# Altium PCB motordriver-v5.2.PcbDoc (part 5 of 7) (continued)
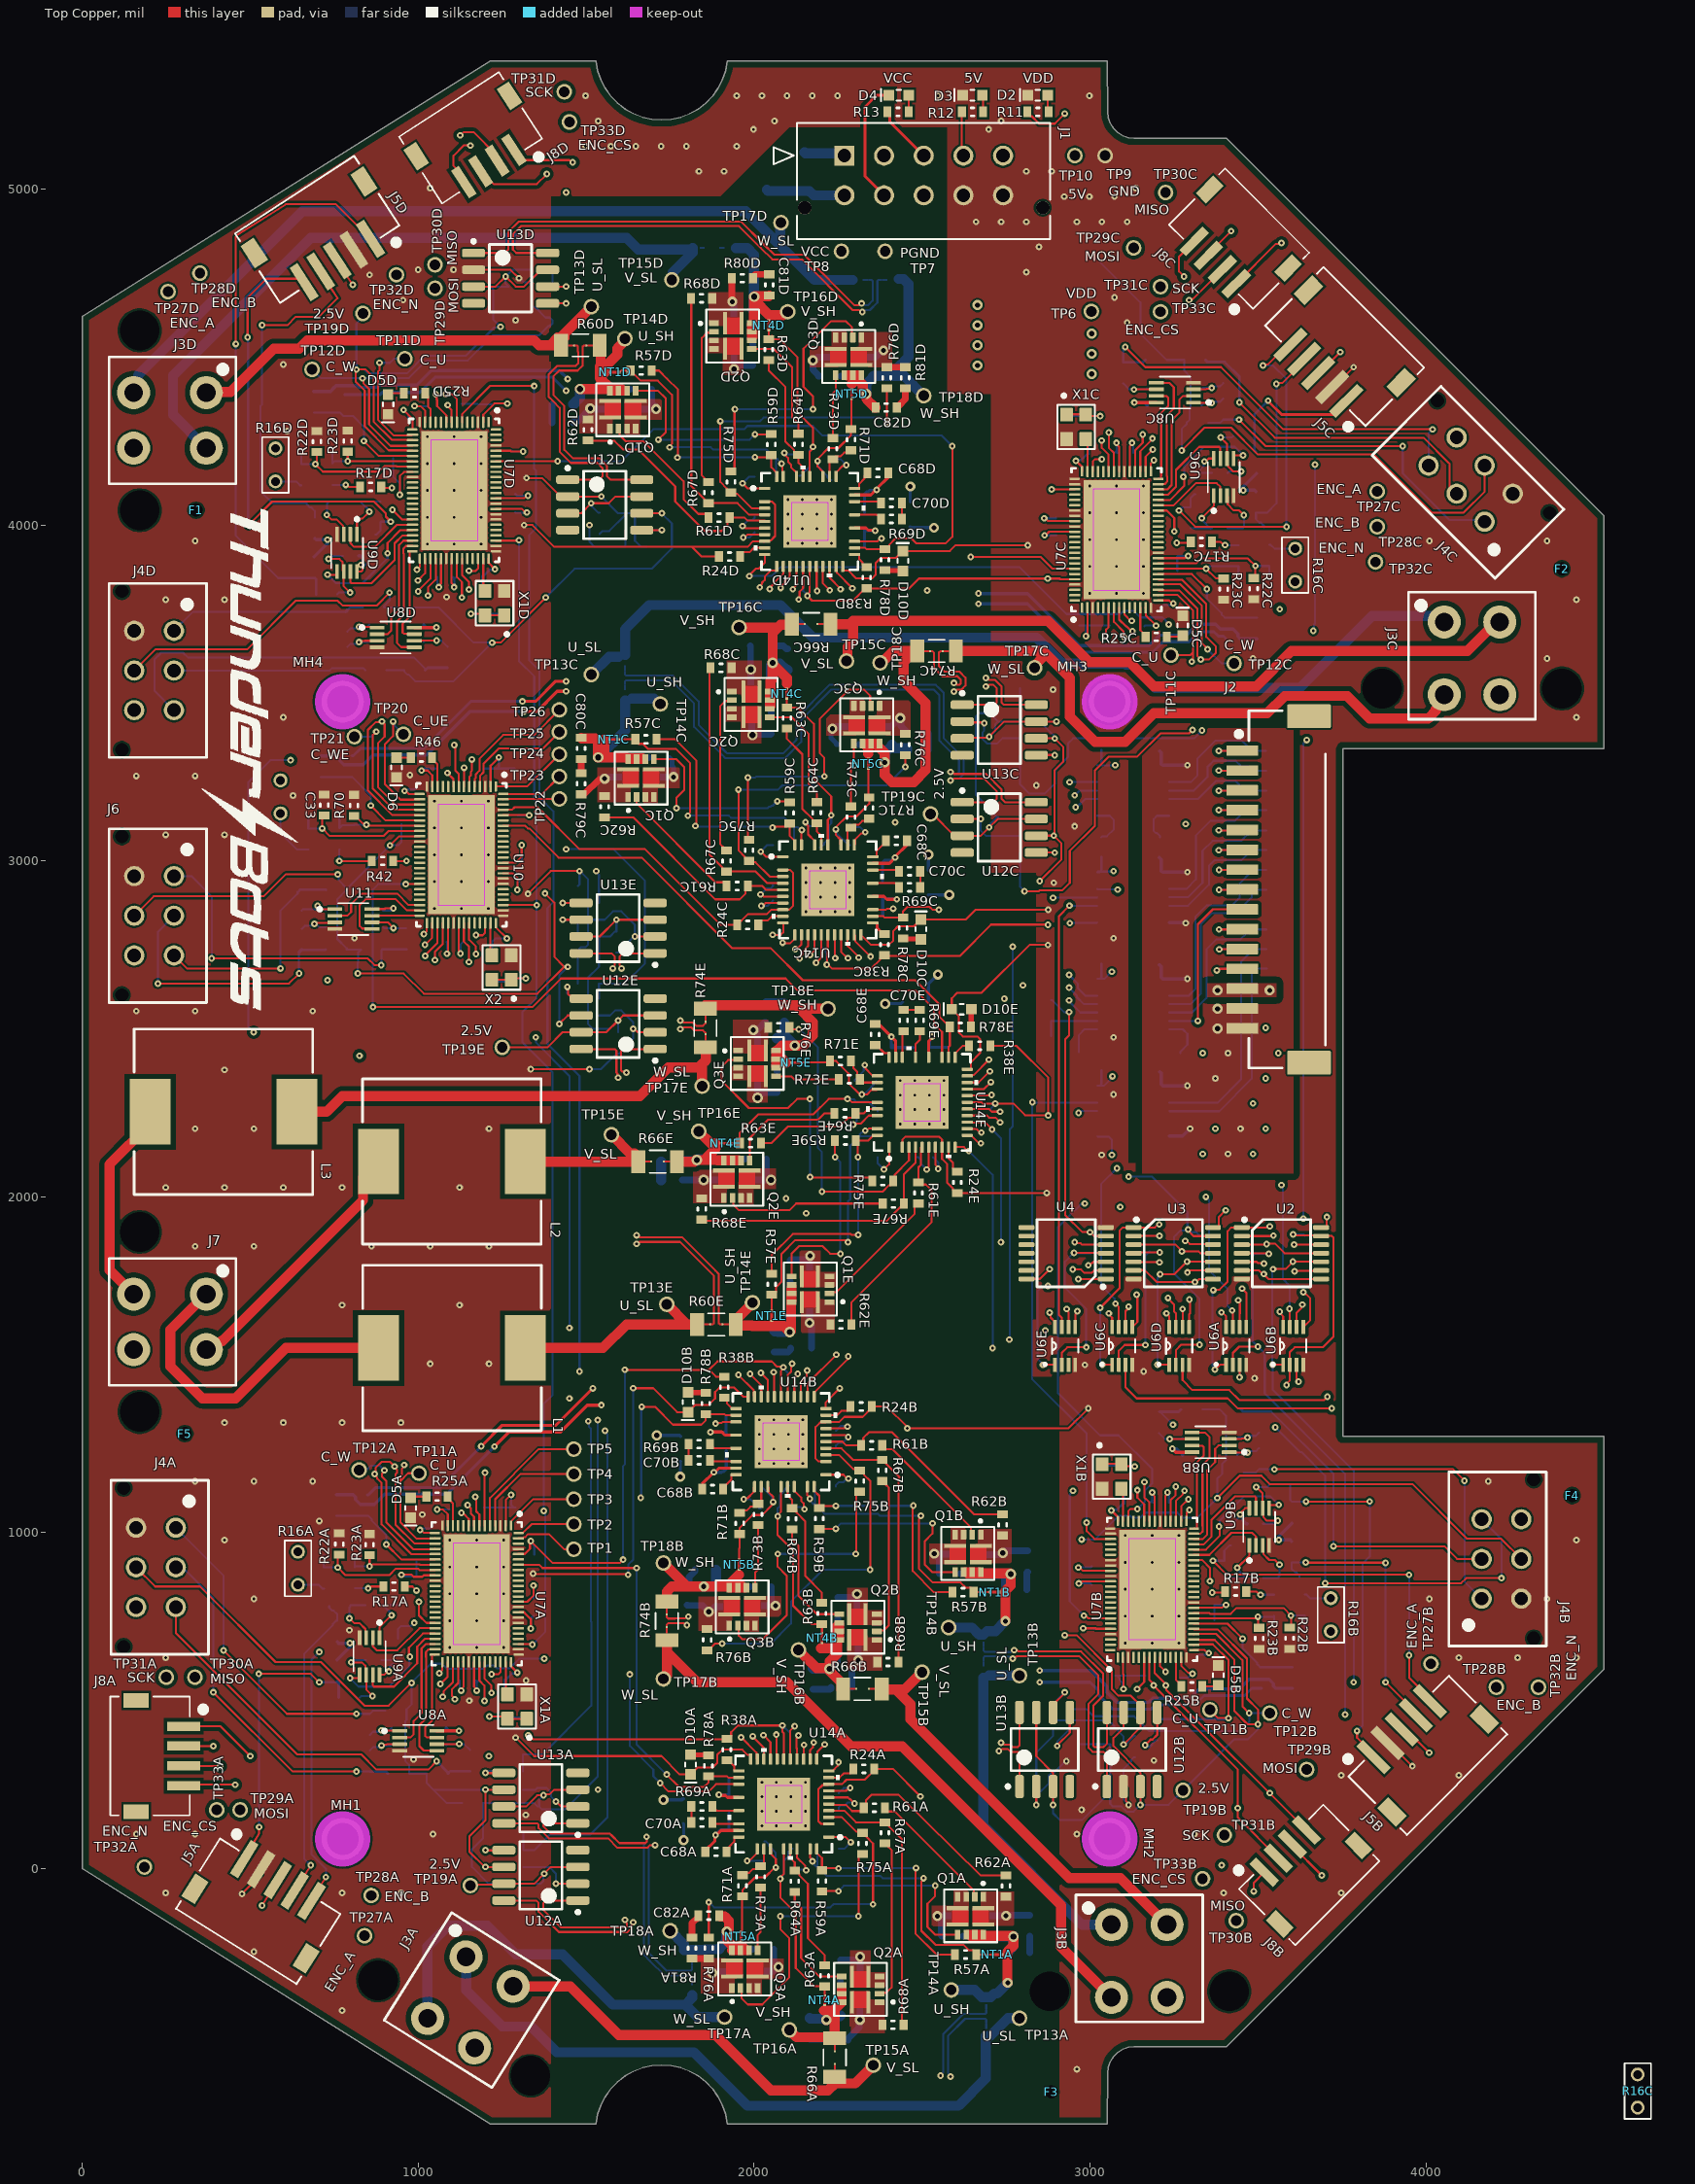
[diagram p0: Top Copper view]
## Nets (pads, with @x,y where several pads share a name; then routed paths per layer and width w, separated by ;. In a path a pad name is that pad's centre, name@x,y a point inside that pad or via, vN(x,y) a via of type N, cw(c..) or ccw(c..) an arc to the next point about the centre after c; other vN are vias at no path point) (continued)
LSVA: R67A.2 R68A.2 U14A.4 | length 808.4
  Top Copper w6: U14A.4@2221.91,172.72 2268.34,172.72 2303.03,138.03 2393.39,138.03 2400.2,131.22 2400.2,127.28 2440.64,86.85 R68A.2@2440.64,-465
LSVB: R67B.2 R68B.2 U14B.4 | length 812.2
  Top Copper w6: U14B.4@2214.04,1251.46 2260.47,1251.46 2295.15,1216.77 2385.52,1216.77 2392.33,1209.96 2392.33,1206.02 2432.76,1165.59 2430,1162.83 R68B.2@2430,615 R68B.2@2432.76,617.76
LSVC: R67C.2 R68C.2 U14C.4 | length 812
  Top Copper w6: R68C.2@1866.86,3575 1866.86,3019.6 1907.29,2979.17 1907.29,2975.23 1914.1,2968.42 2004.47,2968.42 2039.16,2933.74 U14C.4@2085.59,2933.74
LSVD: R67D.2 R68D.2 U14D.4 | length 815.3
  Top Copper w6: R68D.2@1812.75,4675 1812.75,4116.29 1853.19,4075.85 1853.19,4071.91 1860,4065.1 1950.37,4065.1 1985.05,4030.42 U14D.4@2031.48,4030.42
LSVE: R67E.2 R68E.2 U14E.4 | length 809.1
  Top Copper w6: R68E.2@1844.15,1932.41 1848.16,1928.4 2394.34,1928.4 2435.21,1969.27 2439.14,1969.27 2445.95,1976.08 2445.95,2066.44 2480.64,2101.13 U14E.4@2480.64,2147.56
LSWA: R75A.2 R76A.2 U14A.3 | length 951.8
  Top Copper w6: R76A.2@1865,-205 v1(1865,-100) ; U14A.3@2221.91,153.03 2261.03,153.03 2303.58,110.48 2322.52,110.48 2326.46,106.54 2334.77,98.23 2334.77,94.29 2354.02,75.04 v1(2354.02,-106.06)
  Bottom Copper w6: v1(1865,-100) 1865.73,-100 1880.81,-115.08 2226.9,-115.08 2235.91,-106.06 v1(2354.02,-106.06)
LSWB: R75B.2 R76B.2 U14B.3 | length 1053.5
  Top Copper w6: R76B.2@1860,650 1863.94,650 1883.94,670 v1(1905,670) ; U14B.3@2214.04,1231.77 2253.15,1231.77 2295.71,1189.22 2314.65,1189.22 2318.59,1185.28 2326.9,1176.97 2326.9,1173.03 2346.15,1153.78 2346.15,891.15 v1(2345,890)
  Bottom Copper w6: v1(1905,670) 2050,670 2110,730 2110,795 2205,890 v1(2345,890)
LSWC: R75C.2 R76C.2 U14C.3 | length 907.7
  Top Copper w6: v1(1953.47,3212.52) 1953.47,3031.41 1972.73,3012.16 1972.73,3008.22 1981.03,2999.92 1984.98,2995.98 2003.92,2995.98 2046.47,2953.42 U14C.3@2085.59,2953.42 ; v1(2450,3280) 2450,3314.02 2449.51,3314.51 R76C.2@2450,3315
  Bottom Copper w6: v1(1953.47,3212.52) 2071.58,3212.52 2084.07,3225 2395,3225 v1(2450,3280)
LSWD: R75D.2 R76D.2 U14D.3 | length 956.2
  Top Copper w6: v1(1899.37,4309.2) 1899.37,4128.1 1918.62,4108.84 1918.62,4104.91 1926.93,4096.6 1930.87,4092.66 1949.81,4092.66 1992.36,4050.1 U14D.3@2031.48,4050.1 ; v1(2395,4305) 2395,4336.32 2395.01,4367.26 R76D.2@2395,4407.01
  Bottom Copper w6: v1(1899.37,4309.2) 2017.48,4309.2 2028.28,4320 2379.11,4320 2394.11,4305 v1(2395,4305)
LSWE: R75E.2 R76E.2 U14E.3 | length 891
  Top Copper w6: R76E.2@2105,2505 2111.22,2498.78 v1(2132.34,2498.78) ; v1(2201.86,2015.45) 2382.96,2015.45 2402.21,2034.7 2406.15,2034.7 2414.46,2043.01 2418.4,2046.95 2418.4,2065.89 2460.95,2108.44 U14E.3@2460.95,2147.56
  Bottom Copper w6: v1@2134.28,2500.72 2190,2445 2190,2145.41 2201.86,2133.56 v1(2201.86,2015.45)
MISO: J2.9 U5A.6 | length 523.2
  Top Copper w6: v1(3321.26,2523.74) 3321.26,2811.26 3366,2856 J2.9@3453.18,2856
  Bottom Copper w6: U5A.6@3236.06,2523.74 v1(3321.26,2523.74)
MISO_CTRL0: U2.2 U7A.9 | length 3495.2
  Top Copper w6: v1(1128.58,1059.36) 1131.2,1056.74 1135.15,1056.74 1150.29,1041.6 1150.29,1021.11 U7A.9@1150.45,1020.95 ; U2.2@3451.88,1883.25 3535.63,1883.25 3535.99,1883.61 3545.08,1883.61 v1(3546.1,1884.63)
  Signal Layer 2 w6: v1(1128.58,1059.36) 1289.54,1059.36 1367.3,1137.13 2925.48,1137.13 2928.61,1140.26 2963.15,1174.8 3449.8,1174.8 3650,1375 3650,1580 3659,1589 3659,1724.65 3644.57,1739.08 3510.79,1739.08 3494.68,1755.19 3494.68,1860.6 3520.31,1886.23 3544.5,1886.23 v1(3546.1,1884.63)
MISO_CTRL1: U2.9 U7B.9 | length 1581.1
  Top Copper w6: U7B.9@3208.53,629 3208.53,602.72 v1(3224.94,586.31) ; v1(3609.26,1777.97) 3610.71,1779.43 3686.64,1779.43 U2.9@3688.1,1780.89
  Signal Layer 2 w6: v1(3224.94,586.31) 3266.31,586.31 3305,625 3305,996.25 3668.15,1359.4 3668.15,1551.77 3674.5,1558.12 3674.5,1750.5 3646.67,1778.33 3609.61,1778.33 v1(3609.26,1777.97)
MISO_CTRL2: U3.2 U7C.9 | length 3005.4
  Top Copper w6: U7C.9@3102.53,3753.9 3102.69,3753.73 3102.69,3733.24 3120.94,3715 v1@3124.2,3715 ; U3.2@3129.88,1883.25 3130.17,1883.54 3206.82,1883.54 v1(3207.11,1883.83)
  Signal Layer 2 w6: v1(3124.4,3715) 3161.94,3715 3173.91,3726.97 3659.68,3726.97 3688.84,3697.8 3688.84,2023.84 3630,1965 3455,1965 3426.53,1936.53 3388.47,1936.53 3380,1945 3195,1945 3175,1925 3175,1905 3183.94,1896.06 3192.69,1896.06 3204.92,1883.83 v1(3207.11,1883.83)
MISO_CTRL3: U3.9 U7D.9 | length 5124.3
  Top Copper w6: v1(1052.03,4389.39) 1054.65,4386.77 1054.65,4380.28 1054.78,4380.15 1054.78,4373.79 1056.16,4372.41 1056.16,4354 1083.61,4326.55 1083.61,4306.11 U7D.9@1083.45,4305.95 ; v1(3290,1775) 3295.89,1780.89 U3.9@3366.1,1780.89
  Signal Layer 1 w6: v1(1052.03,4389.39) 1011.83,4349.19 1011.83,4338.81 810.6,4137.58 810.6,4112.96 779,4081.35 779,4011 852.42,3937.58 852.42,3717.58 860,3710 860,3445 850,3435 850,3304.92 852.42,3302.5 852.42,3212.42 823.07,3183.07 823.07,2796.93 845,2775 845,2675 855,2665 855,2608.01 825,2578.01 v1(825,2420) 1300.5,1944.5 1868.58,1944.5 1900.18,1912.9 2357.1,1912.9 2565,1705 2975,1705 3016.19,1746.19 3217.71,1746.19 3246.52,1775 v1(3290,1775)
MISO_CTRL4: U4.2 U10.9 | length 3450.8
  Top Copper w6: v1(1086.92,3261.81) 1104.73,3244 1104.73,3221.27 U10.9@1104.89,3221.11 ; v1(2948.41,1783.89) 2973.16,1783.89 2983.42,1773.63 3004.46,1773.63 3011.71,1780.89 U4.2@3047.1,1780.89
  Signal Layer 1 w6: v1(1086.92,3261.81) 1085.92,3262.81 1047.81,3262.81 890,3105 890,2790 920,2760 920,2574.62 905.38,2560 905.38,2409.62 1355,1960 1875,1960 1906.6,1928.4 2386.6,1928.4 2552.77,1762.23 2890.29,1762.23 2911.95,1783.89 v1(2948.41,1783.89)
MISO_DRV0: U2.5 U14A.13 | length 3399.4
  Top Copper w6: U14A.13@2147.11,326.26 2147.91,327.06 2147.91,367.7 v1(2148.7,368.5) ; U2.5@3451.88,1806.48 3496.12,1806.48 3499.12,1803.48 3515.95,1803.48 v1(3517.96,1801.47)
  Signal Layer 2 w6: v1(2148.7,368.5) 2148.34,368.14 2148.34,346.66 2160,335 2227.02,335 2231.52,339.5 2635.5,339.5 2655,320 2848.82,320 2873.82,345 2890.39,345 2893.04,342.35 2911.96,342.35 2914.61,345 3478.81,345 3617.02,483.21 3753.21,483.21 3810,540 3810,1196.9 3683.65,1323.25 3683.65,1545.35 3690,1551.7 3690,1775 3634.97,1830.03 3570.03,1830.03 3547.43,1807.43 3535.31,1807.43 3531.97,1804.09 3520.58,1804.09 v1(3517.96,1801.47)
MISO_DRV1: U2.12 U14B.13 | length 1904.2
  Top Copper w6: U14B.13@2139.24,1405 2139.24,1449.24 2156.23,1466.23 2156.23,1481.23 v1(2157.89,1482.89) ; v1(3607.66,1857.66) U2.12@3688.1,1857.66
  Signal Layer 1 w6: v1(2157.89,1482.89) 2171.22,1469.56 2175.44,1469.56 2205,1440 2232.7,1440 2245.54,1452.84 2264.46,1452.84 2277.3,1440 3284.27,1440 3465.11,1620.84 3484.43,1620.84 3632.36,1768.77 3632.36,1832.96 v1(3607.66,1857.66)
MISO_DRV2: U3.5 U14C.13 | length 2077.2
  Top Copper w6: v1(2135.62,2709.14) 2135.62,2712.84 2143.95,2721.17 2143.95,2729.66 2160.39,2746.1 U14C.13@2160.39,2780.19 ; U3.5@3129.88,1806.48 3130.25,1806.1 3205.82,1806.1 v1(3206.77,1805.15)
  Signal Layer 1 w6: v1(2155,1951.24) 2403.76,1951.24 2546.26,1808.74 2964.51,1808.74 2978.09,1822.33 3007.67,1822.33 3024.85,1805.15 v1(3206.77,1805.15)
  Signal Layer 2 w6: v1(2135.62,2709.14) 2135.62,2634.38 2165,2605 2165,2400 2130,2365 2130,1976.24 v1(2155,1951.24)
MISO_DRV3: U3.12 U14D.13 | length 3520.1
  Top Copper w6: v1(2079.22,3812.95) 2079.22,3816.65 2090.6,3828.03 2090.6,3832.45 2106.28,3848.13 U14D.13@2106.28,3876.88 ; v1(3283.79,1868.93) 3287.49,1868.93 3296.85,1859.57 3364.19,1859.57 U3.12@3366.1,1857.66
  Signal Layer 1 w6: v1@2077.5,3811.23 v1(2079.22,3812.95) ; v1(2095,1995) 2115,1975 2480,1975 2510,1945 3211.26,1945 3283.79,1872.48 v1(3283.79,1868.93)
  Signal Layer 2 w6: v1(2079.22,3812.95) 2048.45,3843.71 2013.61,3843.71 1994.28,3824.38 1994.28,3824.28 1990,3820 1920,3820 1880,3780 1880,3235 1920,3195 1920,2325 2095,2150 v1(2095,1995)
MISO_DRV4: U4.5 U14E.13 | length 745.6
  Top Copper w6: U14E.13@2634.18,2222.36 2635.06,2221.48 2688.52,2221.48 2708.51,2201.49 v1(2708.51,2200.84) ; v1(2954.11,1865.21) 2956.73,1862.59 2971.02,1862.59 2975.95,1857.66 U4.5@3047.1,1857.66
  Signal Layer 1 w6: v1(2734.79,1865.21) v1(2954.11,1865.21)
  Bottom Copper w6: v1(2708.51,2200.84) 2734.79,2174.56 v1(2734.79,1865.21)
MISO_FILTER: C52C.2 R77C.1 U5A.11 | length 181.7
  Bottom Copper w6: C52C.2@2884,2478.5 R77C.1@2884,2522.01 2885.73,2523.74 U5A.11@3021.5,2523.74
MISO_ISO: J8A.3 J8B.3 J8C.3 J8D.3 R77C.2 TP30A.1 TP30B.1 TP30C.1 TP30D.1 U2.3 U2.6 U2.8 U2.11 U3.3 U3.6 U3.8 U3.11 U4.3 U4.6 | length 16255.6
  Top Copper w6: J8A.3@301.73,305.83 302.56,305 v1(410,305) ; J8D.3@1185.47,5052.84 1186.51,5052.84 1224.35,5015 1352.82,5015 v1(1382.82,5045) ; v1(2937.84,2550) 2937.84,2481.21 2926.16,2469.52 2926.16,1945.84 2977,1895 v1(3000,1895) 3001.1,1895 3012.81,1883.29 U4.6@3047.1,1883.25 U4.6@3047.1,1883.25 ; v1(2995,1796.48) 2998.7,1796.48 3005.04,1802.81 3005.89,1802.81 3009.56,1806.48 U4.3@3047.1,1806.48 ; U3.6@3129.88,1780.89 3130.99,1782 3163,1782 3198.64,1746.36 v1(3312.29,1746.36) 3316.27,1746.36 3325.21,1755.3 U3.8@3366.1,1755.3 ; U3.3@3129.88,1857.66 3254.65,1857.66 3258.62,1853.69 3273.58,1838.73 v1(3273.58,1837.75) 3274.33,1837 3323.85,1837 3328.79,1832.07 U3.11@3366.1,1832.07 ; J8C.3@3351.98,4802.58 3351.98,4806.98 v1(3420,4875) ; U2.6@3451.88,1780.89 3503.43,1780.89 3513.82,1770.5 v1@3516.5,1770.5 ; U2.3@3451.88,1857.66 3452.66,1858.44 3524.83,1858.44 v1(3525.61,1859.22) 3527.39,1861 3550,1861 3578.93,1832.07 U2.11@3688.1,1832.07 ; v1(3517.52,1770.5) v1@3516.5,1770.5 ; J8B.3@3602.58,73.02 3602.58,67.42 v1(3690,-20) ; U2.8@3688.1,1755.3 3618.88,1755.3 3618.72,1755.13 3531.87,1755.13 v1@3516.5,1770.5
  Signal Layer 1 w6: v1(410,305) 515,305 610,210 830,210 1275,-235 1495,-235 1565,-305 1800,-305 1865,-370 1920,-370 2090,-540 2575,-540 2620,-585 2845,-585 2960,-470 2960,-335 3035,-260 3450,-260 v1(3690,-20) 3690,515 3790,615 3790,1125 3665,1250 3665,2070 ; v1(1382.82,5045) 1790,5045 1980,5235 2740,5235 2945,5030 3265,5030 v1(3420,4875) 3420,4655 3740,4335 3740,3690 3690,3640 3690,2095 3665,2070 ; v1(3000,1895) 3042.4,1852.6 3177.6,1852.6 3185,1860 3235,1860 3258.16,1836.84 3272.67,1836.84 v1(3273.58,1837.75) 3274.49,1836.84 3297.16,1836.84 3314,1820 3314,1748.06 v1(3312.29,1746.36) ; 3297.16,1837 3500,1837 ; v1(3517.52,1770.5) 3516.5,1770.5 3490,1797 3490,1827 3500,1837 ; 3500,1837 3522.22,1859.22 v1(3525.61,1859.22) 3564.22,1859.22 3575,1870 3575,1980 3665,2070
  Signal Layer 2 w6: TP30A.1@335,570 335,380 v1(410,305) ; TP30D.1@1050,4775 1320,5045 v1(1382.82,5045) ; v1(2995,1796.48) 2995,1800.18 3000,1805.18 v1(3000,1895) ; TP30C.1@3225,4990 3305,4990 v1(3420,4875) ; TP30B.1@3435,-155 3555,-155 v1(3690,-20)
  Bottom Copper w6: R77C.2@2884,2585 2887.94,2585 2922.94,2550 v1(2937.84,2550)
MOSI: J2.10 R77B.2 | length 103.9
  Top Copper w6: v1(3384.07,2796.07) 3452.3,2796.07 J2.10@3453.18,2796.95
  Bottom Copper w6: v1(3384.07,2796.07) R77B.2@3418.49,2796.07
MOSI_FILTER: C52B.2 R77B.1 U5A.5 | length 478.6
  Bottom Copper w6: U5A.5@3236.06,2548.74 3303.74,2548.74 3347.03,2592.03 3347.03,2737.03 3376.73,2766.73 3448.08,2766.73 3464.67,2783.32 3472.68,2783.32 3481.49,2792.13 R77B.1@3481.49,2796.07 C52B.2@3525,2796.07
MOSI_ISO: J8A.4 J8B.4 J8C.4 J8D.4 TP29A.1 TP29B.1 TP29C.1 TP29D.1 U5A.12 U7A.8 U7B.8 U7C.8 U7D.8 U10.8 U14A.12 U14B.12 U14C.12 U14D.12 U14E.12 | length 17736
  Top Copper w6: J8A.4@301.73,246.77 304.96,250 v1(455,250) ; v1(1087.6,4357.08) 1087.6,4353.63 1099.19,4342.03 U7D.8@1099.19,4305.95 ; v1(1107.16,3345) 1109.78,3342.38 1109.78,3334.87 1110,3334.64 1110,3270 1120.64,3259.36 U10.8@1120.64,3221.11 ; J8D.4@1135.94,5020.67 1135.94,5038.67 1105,5069.61 1105,5100 1135,5130 v1(1155,5130) ; v1(1146.99,1082.65) 1146.99,1082.18 1156.88,1072.29 1156.88,1057.05 1166.19,1047.74 U7A.8@1166.19,1020.95 ; v1(2046.35,3809.76) 2046.35,3812.39 2059.34,3825.37 2059.34,3827.66 2086.6,3854.92 U14D.12@2086.6,3876.88 ; v1(2122.53,2737.6) 2126.23,2737.6 2131.25,2742.62 2132.16,2742.62 2140.61,2751.07 2140.61,2780.1 U14C.12@2140.7,2780.19 ; U14B.12@2158.92,1405 2159.02,1405.1 2159.02,1444.02 v1(2245,1530) ; U14A.12@2166.8,326.26 2166.89,326.36 2166.89,353.16 2174.9,361.17 2174.9,373 v1(2177.52,375.62) ; U14E.12@2634.18,2202.67 2634.28,2202.58 2661.44,2202.58 2672.73,2191.29 v1(2676.44,2191.29) ; U7C.8@3086.79,3753.9 3086.79,3718.55 3107.22,3698.11 3108.98,3698.11 3123.33,3683.76 v1(3126.47,3683.76) ; U7B.8@3192.79,629 3192.79,581.8 3225.7,548.89 v1(3225.7,545.4) 3227.03,544.07 3227.03,532.09 J8B.4@3644.34,114.78 ; v1(3280,4740) 3265,4755 3265,4799.12 J8C.4@3310.22,4844.34
  Signal Layer 1 w6: v1@1146.83,1082.45 1219.28,1010 1355,1010 1400.6,964.4 1400.6,529.4 1460,470 2108.08,470 2161.5,416.58 2161.5,388.5 2174.38,375.62 v1(2177.52,375.62) ; v1(1146.99,1082.65) 1146.83,1082.8 1146.83,1116.83 1160,1130 1225,1130 1385,1290 1510,1290 1525,1275 1619.83,1275 1807.06,1462.23 1875.34,1462.23 1958.61,1545.5 2149.5,1545.5 2195,1500 2215,1500 v1(2245,1530) ; v1(1155,5130) 1155,4953.34 1150,4948.34 1150,4775.39 1155,4770.39 1155,4424.48 v1(1087.6,4357.08) 1034.71,4304.19 1021.05,4304.19 843.44,4126.57 843.44,4093.44 810,4060 810,4026.08 885,3951.08 885,3755 895,3745 895,3738.77 896.14,3737.64 896.14,3533.86 1085,3345 v1(1107.16,3345) 1109.78,3347.62 1109.78,3355.13 1110,3355.36 1110,3463.35 1447.65,3801 1970.9,3801 2009.9,3840 2027.25,3840 2043.74,3823.51 2043.74,3812.38 v1(2046.35,3809.76) ; v1@2175,375 2177.03,372.97 2177.03,356.16 2193.19,340 2635,340 2655,320 2825,320 2989.5,484.5 3164.8,484.5 v1(3225.7,545.4) ; v1(2745,2590) 2803.7,2590 2808.7,2585 2926.52,2585 2928.92,2587.4 2928.92,2588.92 v1@2936.76,2588.92 ; v1(2937.84,2585) 2937.84,2587.84 v1@2936.76,2588.92 ; v1(3126.47,3683.76) 3127.04,3683.2 3127.04,3642.04 3100,3615 3079.46,3615 2977.92,3513.45 2977.92,3225.7 2995.84,3207.78 2995.84,2648 v1@2936.76,2588.92 ; v1@3127.95,3684 3144,3684 3225,3765 3225,4095 3247.5,4117.5 3247.5,4152.5 3270,4175 3295,4175 3317.98,4197.98 3317.98,4207.98 3330,4220 3330,4690 v1(3280,4740)
  Signal Layer 2 w6: TP29A.1@470,175 470,235 v1(455,250) 455,335 490,370 490,661.65 482.3,669.35 482.3,1057.3 520,1095 1134.64,1095 v1(1146.99,1082.65) ; TP29D.1@1050,4705 1015,4705 977.16,4742.84 977.16,4812.16 1155,4990 v1(1155,5130) ; v1(2046.35,3809.76) 2046.35,3778.65 2080,3745 2620,3745 2719.32,3645.68 3053.38,3645.68 3071.96,3664.26 3071.96,3669.26 3091.41,3688.72 3112.25,3688.72 3114.58,3686.38 3123.85,3686.38 v1(3126.47,3683.76) ; v1(2122.53,2737.6) 2122.91,2737.22 2140.57,2737.22 2148.99,2745.65 2640.35,2745.65 2745,2640.99 v1(2745,2590) 2775,2560 2775,2220 2732.49,2177.49 2693.93,2177.49 2680.14,2191.29 v1@2677.6,2191.29 ; v1(2245,1530) 2615,1900 2615,2155 2654.59,2194.59 2660.59,2194.59 2661.28,2193.9 2673.82,2193.9 v1(2676.44,2191.29) ; TP29C.1@3130,4825 3195,4825 v1(3280,4740) ; v1(3535,225) 3560,250 3600,250 TP29B.1@3645,295
  Bottom Copper w6: v1(2937.84,2585) 2937.84,2582.3 2971.41,2548.74 U5A.12@3021.5,2548.74
MOTOR_TEMPA: C7A.2 R20A.2 R22A.1 U7A.22 | length 426.4
  Top Copper w6: R22A.1@765,935 760.49,930.49 v1(760.49,896.56) 782.99,874.07 914.07,874.07 933.34,893.34 999.63,893.34 1003.91,889.06 U7A.22@1050.05,889.06
  Bottom Copper w6: C7A.2@718.99,932.57 R20A.2@718.99,896.56 v1(760.49,896.56)
MOTOR_TEMPB: C7B.2 R20B.2 R22B.1 U7B.22 | length 422
  Top Copper w6: U7B.22@3308.93,760.89 3355.07,760.89 3357.08,758.88 3418.88,758.88 3435.88,775.88 3575.99,775.88 v1(3598.49,753.39) 3598.49,721.45 R22B.1@3594.42,717.38
  Bottom Copper w6: v1(3598.49,753.39) R20B.2@3639.99,753.39 C7B.2@3639.99,717.38
MOTOR_TEMPC: C7C.2 R20C.2 R22C.1 U7C.22 | length 425.3
  Top Copper w6: U7C.22@3202.93,3885.78 3315.78,3885.78 3330.78,3900.78 3469.99,3900.78 v1(3492.49,3878.28) 3492.49,3847.77 R22C.1@3487.99,3843.27 ; R22C.1@3485,3840 R22C.1@3486.99,3842.27 R22C.1@3487.99,3843.27 ; R22C.1@3486.99,3842.27 R22C.1@3487.99,3843.27
  Bottom Copper w6: v1(3492.49,3878.28) R20C.2@3533.99,3878.28 C7C.2@3533.99,3842.27
MOTOR_TEMPD: C7D.2 R20D.2 R22D.1 U7D.22 | length 423.3
  Top Copper w6: R22D.1@697.33,4216.14 R22D.1@698.33,4217.14 698.33,4190.1 693.49,4185.27 v1(693.49,4181.56) 715.99,4159.07 882.74,4159.07 899.74,4176.07 934.9,4176.07 936.91,4174.06 U7D.22@983.05,4174.06
  Bottom Copper w6: C7D.2@651.99,4217.57 R20D.2@651.99,4181.56 v1(693.49,4181.56)
MOTOR_THERMA: R16A.1 R20A.1 | length 81.7
  Bottom Copper w6: R16A.1@641.99,844.86 703.77,844.86 715.05,833.57 R20A.1@718.99,833.57
MOTOR_THERMB: R16B.1 R20B.1 | length 81.7
  Bottom Copper w6: R20B.1@3639.99,816.38 3643.93,816.38 3655.21,805.1 R16B.1@3716.99,805.1
MOTOR_THERMC: R16C.1@3610.99,3929.99 R20C.1 | length 81.7
  Bottom Copper w6: R20C.1@3533.99,3941.27 3537.93,3941.27 3549.21,3929.99 R16C.1@3610.99,3929.99
MOTOR_THERMD: R16D.1 R20D.1 | length 81.7
  Bottom Copper w6: R16D.1@574.99,4129.86 636.77,4129.86 648.05,4118.57 R20D.1@651.99,4118.57
MUX_SEL_0: J2.1 R77I.2 | length 104.7
  Top Copper w6: v1(3383.07,3328.07) 3452.8,3328.07 J2.1@3453.18,3328.44
  Bottom Copper w6: v1(3383.07,3328.07) R77I.2@3417.49,3328.07
MUX_SEL_1: J2.7 R77J.2 | length 104
  Top Copper w6: v1(3384.07,2973.07) 3452.13,2973.07 J2.7@3453.18,2974.11
  Bottom Copper w6: v1(3384.07,2973.07) R77J.2@3418.49,2973.07
MUX_SEL_FILTER_0: C52I.2 R77I.1 U5B.3 | length 382.7
  Bottom Copper w6: U5B.3@3236.06,3234.74 3299.74,3234.74 3320,3255 3320,3305 3372.68,3357.69 3452.87,3357.69 3469.74,3340.82 3471.68,3340.82 3480.49,3332.01 R77I.1@3480.49,3328.07 C52I.2@3524,3328.07
MUX_SEL_FILTER_1: C52J.2 R77J.1 U5A.3 | length 597.2
  Bottom Copper w6: U5A.3@3236.06,2598.74 3293.74,2598.74 3313.31,2618.31 3313.31,2833.31 3348.21,2868.21 3423.21,2868.21 3445,2890 3445,2932.64 3481.49,2969.13 R77J.1@3481.49,2973.07 C52J.2@3525,2973.07
MUX_SEL_ISO_0: U5B.14 U6A.6 U6B.6 U6C.6 U6D.6 U6E.6 | length 2793.1
  Top Copper w6: v1(2930.31,1666) 2930.31,1662.3 2935.99,1656.62 U6E.6@2935.99,1612.07 ; U6C.6@3105.74,1612.07 3105.74,1659.77 3115,1669.03 v1(3115,1673) ; v1(3275.47,1666) 3275.74,1665.73 3275.74,1612.32 U6D.6@3275.49,1612.07 ; v1(3441,1692) 3441,1688.3 3446.24,1683.06 3446.24,1652.35 3445.24,1651.36 U6A.6@3445.24,1612.07 ; U6B.6@3614.99,1612.07 3614.99,1654.31 3629.38,1668.7 3629.38,1676.38 v1(3632,1679)
  Signal Layer 2 w6: v1(2930.31,1666) v1@2923,1666 ; v1(2939.26,3234.74) 2937.17,3232.65 2937.17,3222.17 2915,3200 2915,3040 2920,3035 2920,2907.5 2915,2902.5 2915,1965 2906.54,1956.54 2906.54,1713.46 2923,1697 v1@2923,1666 ; v1(3632,1679) 3628.03,1679 3615.03,1692 v1(3441,1692) 3438.89,1689.89 3413.89,1689.89 3402.91,1678.91 3378.91,1678.91 3366,1666 v1(3275.47,1666) 3250.43,1666 3240.22,1676.21 3125.36,1676.21 3124.76,1675.62 3117.62,1675.62 v1(3115,1673) 3115,1671.99 3105.74,1662.73 3105.74,1644.74 3088.87,1627.87 2957.34,1627.87 2923,1662.21 v1@2923,1666
  Bottom Copper w6: v1(2939.26,3234.74) U5B.14@3021.5,3234.74
MUX_SEL_ISO_1: U5A.14 U6A.5 U6B.5 U6C.5 U6D.5 U6E.5 | length 2366.6
  Top Copper w6: U6E.5@2955.99,1612.07 2955.99,1649.72 2962.41,1656.14 v1(2962.41,1659.84) ; U6C.5@3125.74,1612.07 3141,1627.33 3141,1707 v1(3139,1709) ; U6D.5@3295.49,1612.07 3295.49,1650.85 3298.32,1653.68 3298.32,1691.79 v1(3295.7,1694.41) ; v1(3453,1727) 3465.24,1714.76 U6A.5@3465.24,1612.07 ; U6B.5@3634.99,1612.07 3655.61,1632.69 3655.61,1698.36 3637.8,1716.18 v1(3635.17,1716.18)
  Signal Layer 2 w6: v1(2937.84,2660.93) 2960.68,2638.09 2960.68,2353.56 2943.27,2336.15 2943.27,1938.27 2925,1920 2925,1743.69 2962.41,1706.28 v1@2962.41,1664.41 ; v1(2962.41,1659.84) v1@2962.41,1664.41 ; v1(3635.17,1716.18) 3511.77,1716.18 3500.95,1727 v1(3453,1727) 3412,1727 3379.41,1694.41 v1(3295.7,1694.41) 3268.2,1721.9 3154.73,1721.9 3141.83,1709 v1(3139,1709) 3007,1709 2986.01,1688.01 2986.01,1687.82 2967.54,1669.35 2967.54,1668.68 2963.17,1664.31 2962.5,1664.31 v1@2962.41,1664.41
  Bottom Copper w6: v1(2937.84,2660.93) 2963.36,2635.41 2963.36,2621.64 2986.26,2598.74 U5A.14@3021.5,2598.74
NetD10A_1: D10A.1 R78A.2 | length 54
  Top Copper w15: D10A.1@1810.78,339.49 1811.74,338.53 1863.03,338.53 R78A.2@1863.99,337.56
NetD10B_1: D10B.1 R78B.2 | length 54
  Top Copper w15: D10B.1@1802.91,1418.23 1803.87,1417.27 1855.15,1417.27 R78B.2@1856.12,1416.3
NetD10C_1: D10C.1 R78C.2 | length 54
  Top Copper w15: R78C.2@2443.51,2768.89 2444.47,2767.93 2495.76,2767.93 D10C.1@2496.72,2766.97
NetD10D_1: D10D.1 R78D.2 | length 54
  Top Copper w15: R78D.2@2389.4,3865.57 2390.36,3864.61 2441.65,3864.61 D10D.1@2442.61,3863.65
NetD10E_1: D10E.1 R78E.2 | length 54
  Top Copper w15: R78E.2@2645.49,2505.48 2646.45,2506.44 2646.45,2557.73 D10E.1@2647.41,2558.69
OUT2E: U6E.3
OUT3B: U15B.12
OUT4A: U15A.6
OUT4B: U15B.6
OUT4B1: U5B.6
PGND: C5A.1 C5B.1 C5C.1 C5D.1 C32.1 C60A.2 C60B.2 C60C.2 C60D.2 C60E.2 C61A.2 C61B.2 C61C.2 C61D.2 C61E.2 C65A.1 C65B.1 C65C.1 C65D.1 C65E.1 C66A.1 C66B.1 C66C.1 C66D.1 C66E.1 C67A.1 C67B.1 C67C.1 C67D.1 C67E.1 C72A.2 C72B.2 C72C.2 C72D.2 C72E.2 C73A.2 C73B.2 C73C.2 C73D.2 C73E.2 C74A.2 C74B.2 C74C.2 C74D.2 C74E.2 C77A.1 C77B.1 C77C.1 C77D.1 C77E.1 C78A.1 C78B.1 C78C.1 C78D.1 C78E.1 C79A.1 C79B.1 C79C.1 C79D.1 C79E.1 D1.1 D4.2 J1.6 J1.7 J1.8 Q1A.1 Q1A.11 Q1B.1 Q1B.11 Q1C.1 Q1C.11 Q1D.1 Q1D.11 Q1E.1 Q1E.11 Q2A.1 Q2A.11 Q2B.1 Q2B.11 Q2C.1 Q2C.11 Q2D.1 Q2D.11 Q2E.1 Q2E.11 Q3A.1 Q3A.11 Q3B.1 Q3B.11 Q3C.1 Q3C.11 Q3D.1 Q3D.11 Q3E.1 Q3E.11 R19A.2 R19B.2 R19C.2 R19D.2 R44.2 R62A.1 R62B.1 R62C.1 R62D.1 R62E.1 R68A.1 R68B.1 R68C.1 R68D.1 R68E.1 R76A.1 R76B.1 R76C.1 R76D.1 R76E.1 R79A.2 R79B.2 R79C.2 R79D.2 R79E.2 R80A.2 R80B.2 R80C.2 R80D.2 R80E.2 R81A.2 R81B.2 R81C.2 R81D.2 R81E.2 TP7.1 U14A.38 U14B.38 U14C.38 U14D.38 U14E.38 | length 7429.4
  Top Copper w9: J1.7@2386.84,4981.61 2330,5038.45 2330,5245 2365,5280 D4.2@2400.94,5280
  Top Copper w10: v1(1226.8,1256.8) 1270,1300 1423.28,1300 1503.28,1380 v1(1545,1380) ; v1(1315,3445) 1353.81,3445 1413.81,3505 v1(1440,3505)
  Top Copper w20: R79C.2@1485,3198.5 1486.81,3200.32 1495.31,3200.32 1538.09,3243.09 1553.09,3243.09 v3(1555,3245) ; R81A.2@1815,-267.99 R76A.1@1865,-267.99 ; R80D.2@1933.5,4735 1934.25,4734.25 1934.25,4665.75 v3(1935,4665) ; R76D.1@2395,4470 R81D.2@2450,4470
  Bottom Copper w10: R19D.2@688.99,4398.06 C5D.1@734.99,4398.06 738.93,4398.06 745.74,4404.87 745.74,4405.72 754.82,4414.8 820.1,4414.8 824.9,4410 876.88,4410 883.89,4417.01 995.88,4417.01 1038.88,4460 1420,4460 v1(1445,4435) ; R44.2@709.8,3313.22 C32.1@755.8,3313.22 759.74,3313.22 766.55,3306.41 766.55,3298.45 778.59,3286.41 836.41,3286.41 865,3315 1025,3315 1155,3445 v1(1315,3445) ; R19A.2@755.99,1113.06 C5A.1@801.99,1113.06 805.93,1113.06 812.74,1106.25 812.74,1099.54 827.28,1085 870,1085 900,1115 1085,1115 v1(1226.8,1256.8) ; v3(1710.12,1289.81) 1778.54,1289.81 C65B.1@1781.23,1287.12 ; v3(1730,205) 1785.72,205 C65A.1@1789.1,208.38 ; C65D.1@2464.29,3994.75 2466.97,3992.07 v3(2535.4,3992.07) ; C65E.1@2516.3,2580.37 2518.99,2583.05 2518.99,2633.99 v3(2546.97,2661.97) ; C65C.1@2518.4,2898.07 2519.49,2899.17 v3(2580.95,2899.17) ; v1(2667.84,3796.28) 2813.72,3796.28 2968.97,3641.03 3176.03,3641.03 3207.13,3672.13 3287.13,3672.13 3320,3705 3374,3705 3389,3690 3425.55,3690 3440.24,3675.3 3440.24,3668.6 3447.05,3661.78 C5C.1@3450.99,3661.78 R19C.2@3496.99,3661.78 ; v1(2850.5,589.59) 2850.91,590 3002.58,590 3050,542.58 3050,524.81 3079.81,495 3175.07,495 3187.51,507.44 3297.44,507.44 3325,535 3445,535 3473.7,563.7 3532.95,563.7 3546.24,550.41 3546.24,543.7 3553.05,536.89 C5B.1@3556.99,536.89 R19B.2@3602.99,536.89
  Bottom Copper w20: R79D.2@1461.5,4305 1461.5,4308.94 1463.31,4310.75 1475.88,4310.75 v3(1512.44,4347.31) ; v3@1517.46,4345 C77D.1@1578.5,4345 ; v3(1555,3245) 1557.71,3245 1562.71,3250 C77C.1@1633.5,3250 ; R80E.2@1786.5,2050 v4(1850,2050) C78E.1@1918.5,2050 ; R81B.2@1800,785 1801.5,783.5 1846.5,783.5 v3(1865,765) 1867.71,765 1882.71,780 C79B.1@1933.5,780 ; v3(1875,-310) 1879.25,-305.75 1937.76,-305.75 C79A.1@1938.5,-305 ; v3(1935,4665) 1935,4662.29 1940,4657.29 C78D.1@1940,4596.5 ; R80C.2@1988.5,3640 1989.25,3639.25 1989.25,3570.75 v4(1990,3570) C78C.1@1990,3496.5 ; C79E.1@2010,2426.5 2010,2481.59 1997.54,2494.05 v3(1997.54,2496.76) 1999.45,2498.67 2011.23,2498.67 2031.06,2518.5 R81E.2@2035,2518.5 ; C77E.1@2165,1698.5 v3(2165,1625) 2165,1622.29 2171.5,1615.8 R79E.2@2171.5,1550 ; R80A.2@2280,-510 2280,-506.06 2313.09,-472.98 2313.09,-451.91 v3(2315,-450) C78A.1@2315,-392.99 ; R80B.2@2291.5,540 2291.5,598.79 2310,617.29 v3(2310,620) C78B.1@2310,688.5 ; C79D.1@2311.5,4500 2362.29,4500 2382.29,4520 v3(2385,4520) ; C79C.1@2366.5,3400 2408.31,3400 2433.31,3425 v3(2435,3425) 2436.91,3423.09 2436.91,3402.02 2455,3383.94 R81C.2@2455,3380 ; C77B.1@2666.5,935 2732.29,935 2737.29,940 v3(2740,940) 2742.71,940 2749.2,946.5 R79B.2@2815,946.5 ; C77A.1@2676.5,-140 v3(2750,-140) 2750.75,-139.25 2819.25,-139.25 R79A.2@2820,-138.5
  Bottom Copper w30: D1.1@2037.81,4997.81 2041.15,4994.47 2164.51,4994.47 2177.36,4981.61 J1.6@2268.73,4981.61
  other v2: 2023.09,127.44 2066.4,127.44 2109.71,127.44 2153.02,127.44 2023.09,170.75 2066.4,170.75 2109.71,170.75 2153.02,170.75 2023.09,214.05 2066.4,214.05 2109.71,214.05 2153.02,214.05 2023.09,257.36 2066.4,257.36 2109.71,257.36 2153.02,257.36 2015.22,1206.18 2058.53,1206.18 2101.83,1206.18 2145.14,1206.18 2015.22,1249.49 2058.53,1249.49 2101.83,1249.49 2145.14,1249.49 2015.22,1292.79 2058.53,1292.79 2101.83,1292.79 2145.14,1292.79 2015.22,1336.1 2058.53,1336.1 2101.83,1336.1 2145.14,1336.1 2435.36,2216.45 2478.67,2216.45 2521.98,2216.45 2565.28,2216.45 2435.36,2259.76 2478.67,2259.76 2521.98,2259.76 2565.28,2259.76 2435.36,2303.07 2478.67,2303.07 2521.98,2303.07 2565.28,2303.07 2435.36,2346.38 2478.67,2346.38 2521.98,2346.38 2565.28,2346.38 2154.48,2849.09 2197.79,2849.09 2241.1,2849.09 2284.4,2849.09 2154.48,2892.4 2197.79,2892.4 2241.1,2892.4 2284.4,2892.4 2154.48,2935.71 2197.79,2935.71 2241.1,2935.71 2284.4,2935.71 2154.48,2979.01 2197.79,2979.01 2241.1,2979.01 2284.4,2979.01 2100.38,3945.77 2143.68,3945.77 2186.99,3945.77 2230.3,3945.77 2100.38,3989.08 2143.68,3989.08 2186.99,3989.08 2230.3,3989.08 2100.38,4032.39 2143.68,4032.39 2186.99,4032.39 2230.3,4032.39 2100.38,4075.7 2143.68,4075.7 2186.99,4075.7 2230.3,4075.7
SCK: J2.8 R77A.2 | length 103.9
  Top Copper w6: v1(3384.07,2914.07) 3452.19,2914.07 J2.8@3453.18,2915.06
  Bottom Copper w6: v1(3384.07,2914.07) R77A.2@3418.49,2914.07
SCK_FILTER: C52A.2 R77A.1 U5A.4 | length 564.4
  Bottom Copper w6: U5A.4@3236.06,2573.74 3298.74,2573.74 3330,2605 3330,2812.04 3363.15,2845.19 3435.19,2845.19 3481.49,2891.49 R77A.1@3481.49,2914.07 C52A.2@3525,2914.07